# KiCad board 2025_bsides_badge_v1.kicad_pcb
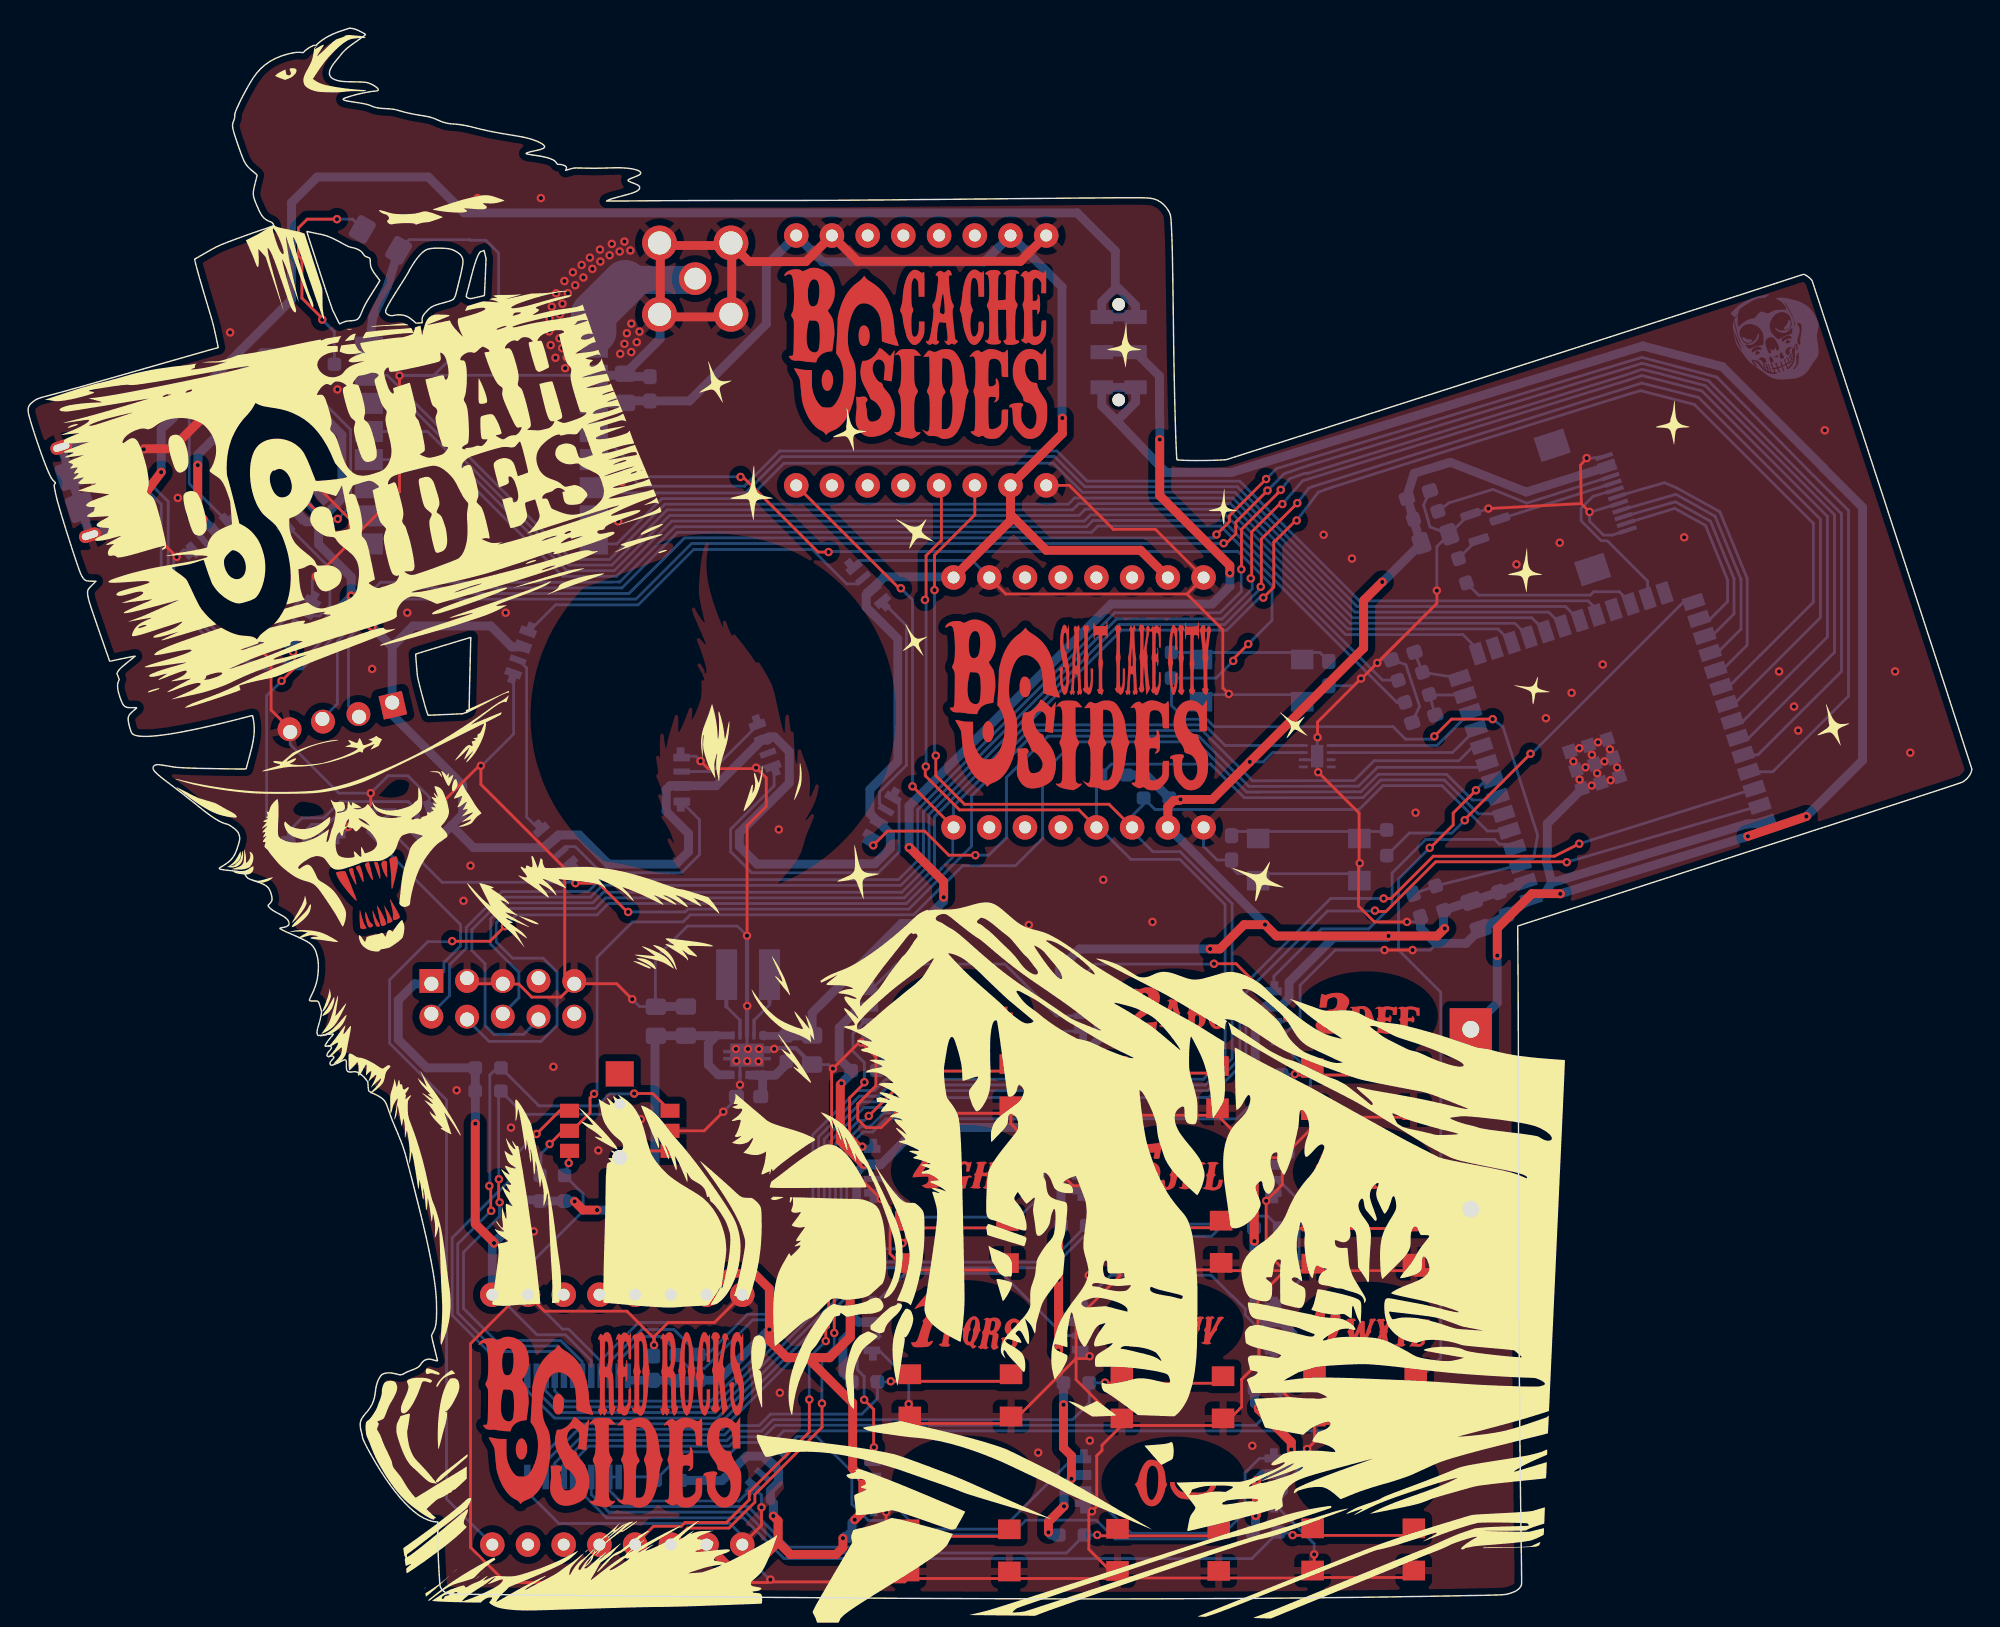
[diagram p0: board, top side]
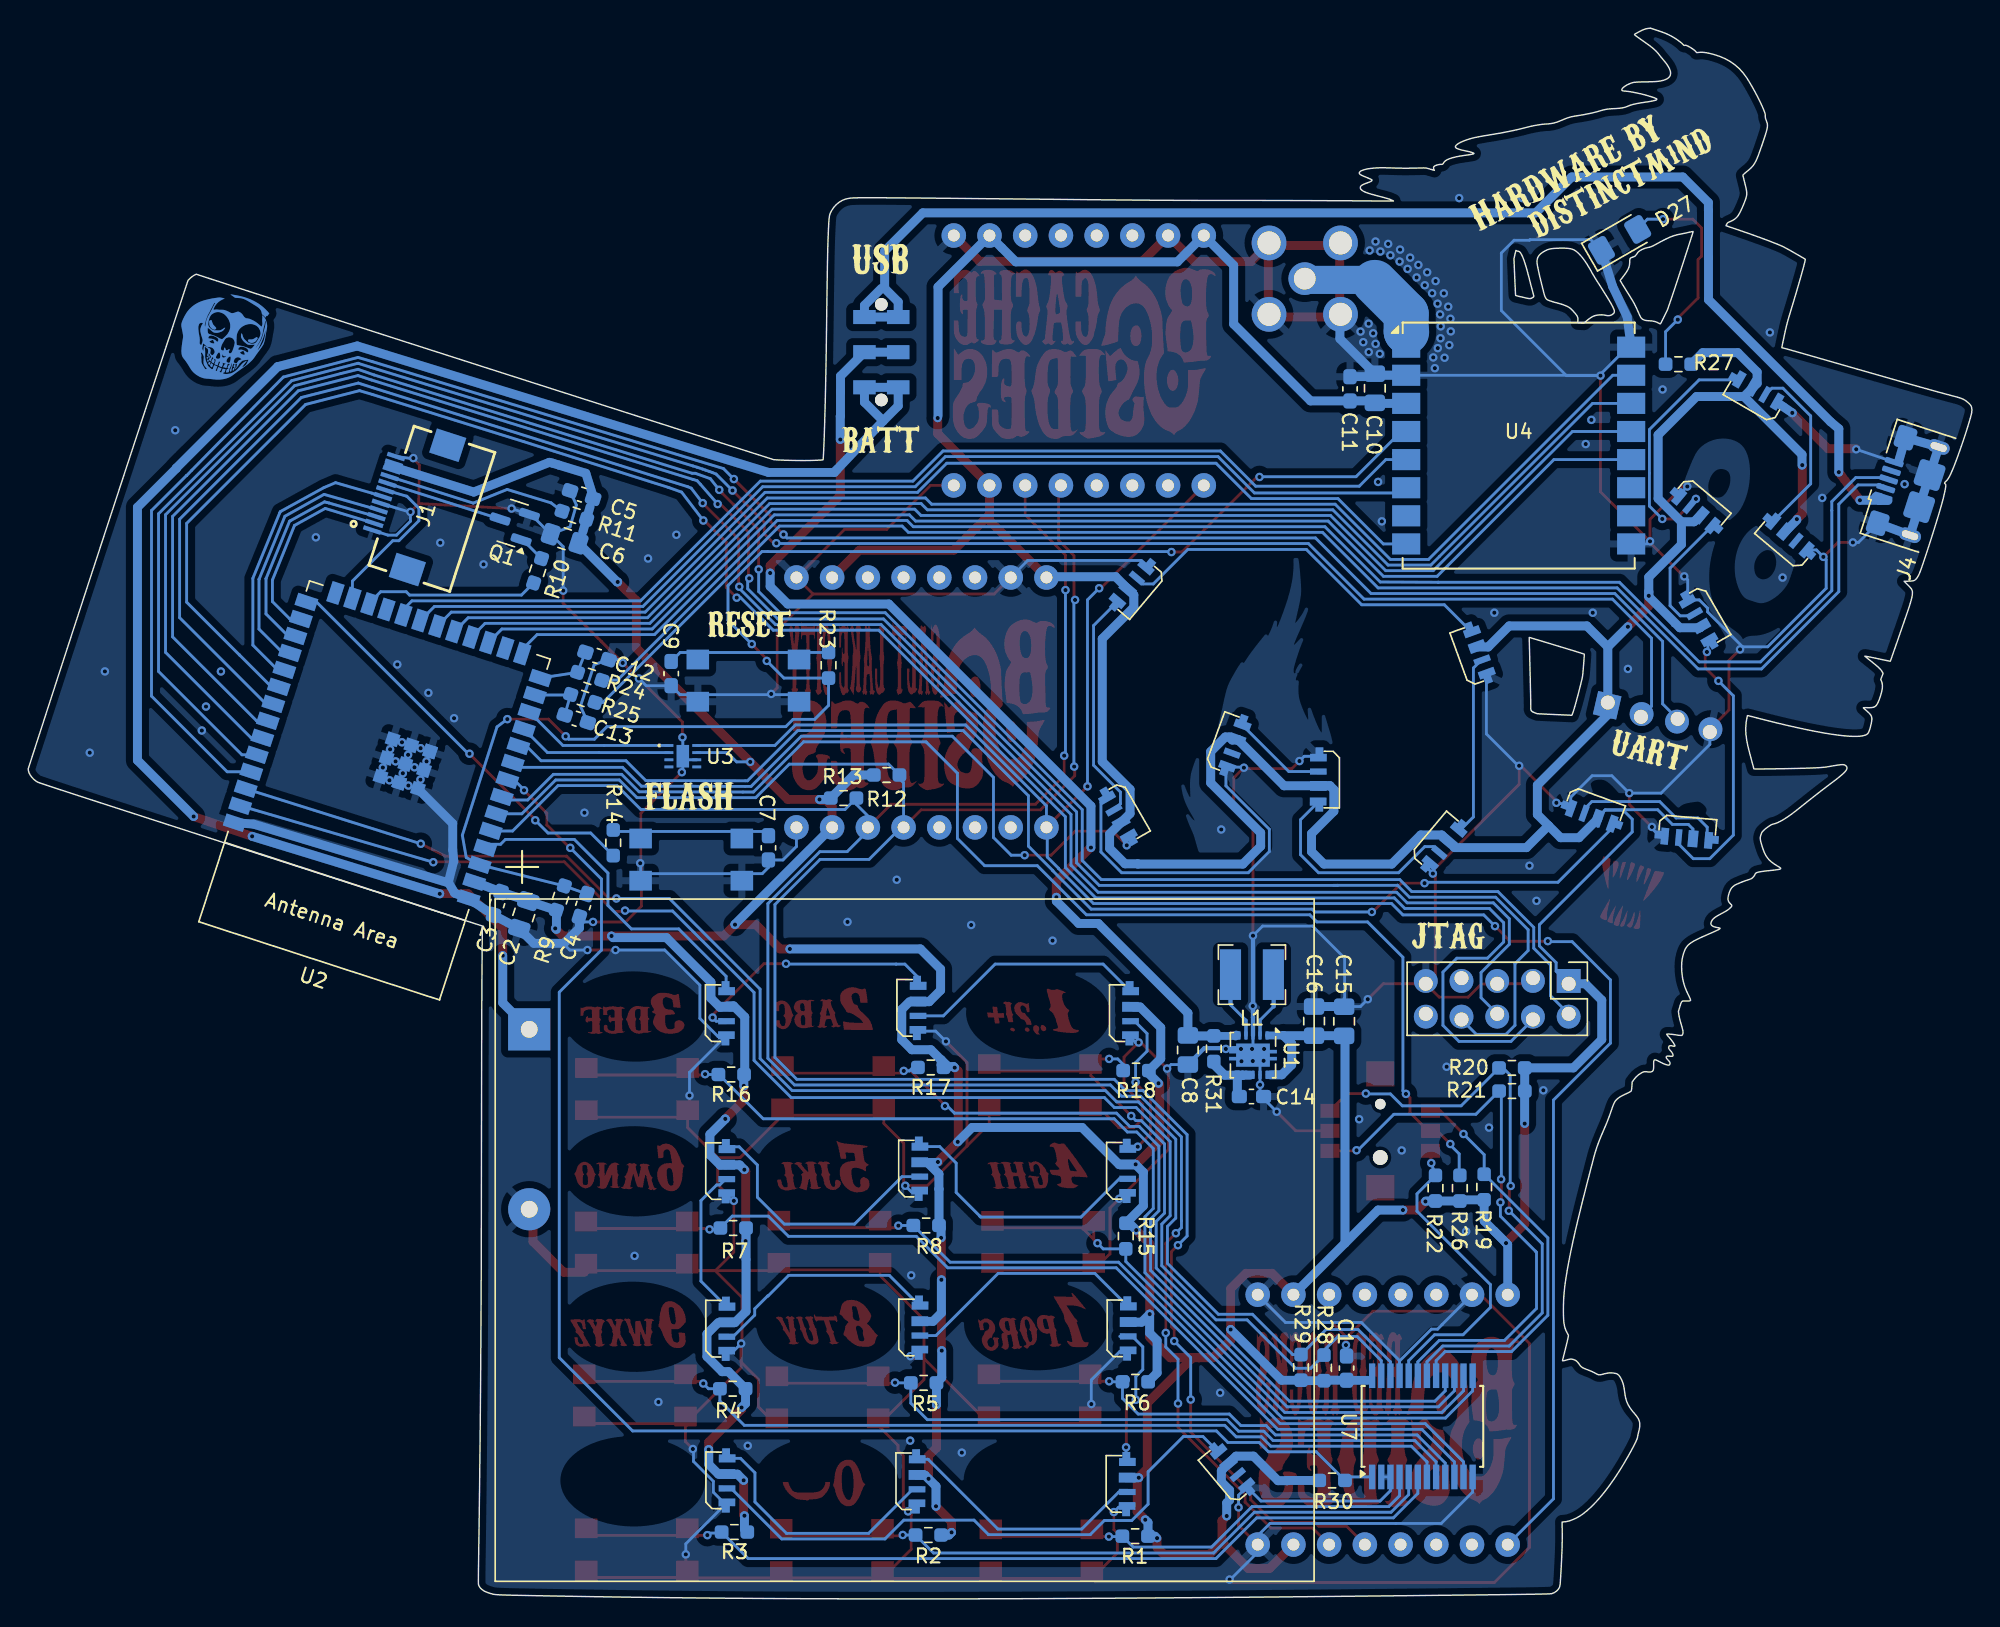
[diagram p1: board, bottom side, seen from below]

Outline 138.24 x 111.76 mm; copper layers: Top, Bottom. Coordinates in mm from the lower left corner of the outline.
Stack: Top 0.035mm / dielectric 1.51mm FR4 er 4.5 / Bottom 0.035mm

## Placement (name value [footprint] x y rotation side)
BT1  Battery  [mad_hatter_3_AA_battery]  79.1 31.52 180 top
C1  0.1uF  [C_0603_1608Metric_Pad1.08x0.95mm_HandSolder]  44.47 16.42 90 bottom
C2  10uF  [C_0805_2012Metric_Pad1.18x1.45mm_HandSolder]  102.99 48.66 288 bottom
C3  0.1uF  [C_0603_1608Metric_Pad1.08x0.95mm_HandSolder]  104.87 49.47 288 bottom
C4  1uF  [C_0603_1608Metric_Pad1.08x0.95mm_HandSolder]  98.76 49.33 288 bottom
C5  0.1uF  [C_0603_1608Metric_Pad1.08x0.95mm_HandSolder]  98.88 78.57 18 bottom
C6  10uF  [C_0805_2012Metric_Pad1.18x1.45mm_HandSolder]  100.08 75.43 18 bottom
C7  0.1uF  [C_0603_1608Metric_Pad1.08x0.95mm_HandSolder]  85.59 53.44 270 bottom
C8  10uF  [C_0805_2012Metric_Pad1.18x1.45mm_HandSolder]  55.76 39.05 270 bottom
C9  0.1uF  [C_0603_1608Metric_Pad1.08x0.95mm_HandSolder]  92.5 65.83 270 bottom
C10  10uF  [C_0805_2012Metric_Pad1.18x1.45mm_HandSolder]  42.46 86.13 90 bottom
C11  0.1uF  [C_0603_1608Metric_Pad1.08x0.95mm_HandSolder]  44.23 86.09 90 bottom
C12  NC  [C_0603_1608Metric_Pad1.08x0.95mm_HandSolder]  97.78 67.09 198 bottom
C13  NC  [C_0603_1608Metric_Pad1.08x0.95mm_HandSolder]  99.25 62.62 198 bottom
C14  0.1uF  [C_0603_1608Metric_Pad1.08x0.95mm_HandSolder]  51.24 35.74 180 bottom
C15  10uF  [C_0805_2012Metric_Pad1.18x1.45mm_HandSolder]  44.65 41.1 90 bottom
C16  10uF  [C_0805_2012Metric_Pad1.18x1.45mm_HandSolder]  46.78 41.11 90 bottom
D1  WS2812_4020  [sk6812-side-a]  90.14 41.62 270 bottom
D2  WS2812_4020  [sk6812-side-a]  76.52 42 270 bottom
D3  WS2812_4020  [sk6812-side-a]  61.4 41.62 270 bottom
D4  WS2812_4020  [sk6812-side-a]  61.61 30.41 270 bottom
D5  WS2812_4020  [sk6812-side-a]  76.39 30.56 270 bottom
D6  WS2812_4020  [sk6812-side-a]  90.12 30.39 270 bottom
D7  WS2812_4020  [sk6812-side-a]  90.12 19.17 270 bottom
D8  WS2812_4020  [sk6812-side-a]  76.39 19.25 270 bottom
D9  WS2812_4020  [sk6812-side-a]  61.57 19.2 270 bottom
D10  WS2812_4020  [sk6812-side-a]  61.64 8.13 270 bottom
D11  WS2812_4020  [sk6812-side-a]  76.59 8.32 270 bottom
D12  WS2812_4020  [sk6812-side-a]  90.1 8.38 270 bottom
D13  WS2812_4020  [sk6812-side-a]  53.74 8.24 230 bottom
D14  WS2812_4020  [sk6812-side-a]  59.4 56.47 60 bottom
D15  WS2812_4020  [sk6812-side-a]  58.51 71.22 130 bottom
D16  WS2812_4020  [sk6812-side-a]  36.48 66.75 250 bottom
D17  WS2812_4020  [sk6812-side-a]  38.75 54.51 310 bottom
D18  WS2812_4020  [sk6812-side-a]  44.91 58.34 90 bottom
D19  WS2812_4020  [sk6812-side-a]  53.91 61.2 290 bottom
D20  WS2812_4020  [sk6812-side-a]  26.55 57.19 20 bottom
D21  WS2812_4020  [sk6812-side-a]  20.2 55.69 5 bottom
D22  WS2812_4020  [sk6812-side-a]  18.11 70.44 60 bottom
D23  WS2812_4020  [sk6812-side-a]  18.65 78.62 40 bottom
D24  WS2812_4020  [sk6812-side-a]  15.94 84.59 210 bottom
D25  WS2812_4020  [sk6812-side-a]  13.91 74.42 220 bottom
D27  LED  [LED_1206_3216Metric_Pad1.42x1.75mm_HandSolder]  25.06 96.69 150 bottom
J1  FFC2B35-12-G_REVA2  [GCT_FFC2B35-12-G_REVA2]  109.83 77.66 108 bottom
J2  UART  [mad_hatter_sneaky_uart_connector]  22.65 63.31 13 top
J3  JTAG  [mad_hatter_jtag_sneaky_connector]  34.22 43.43 270 bottom
J4  USB_B_Micro  [USB_Micro-B_Amphenol_10118193-0001LF_Horizontal]  3.38 78.82 108 bottom
J5  RFPC-SMA27-F  [bsides_RFPC_SMA27_F]  47.45 93.43 0 top
L1  SRN4018-2R2M  [L_Bourns-SRN4018]  51.2 44.41 180 bottom
MB1  MiniBadge_Full  [MiniBadge_Slot_Basic]  64.55 73.94 0 top
MB2  MiniBadge_Full  [MiniBadge_Slot_Basic]  53.36 98.27 0 top
MB3  MiniBadge_Full  [MiniBadge_Slot_Basic]  31.74 22.91 0 top
Q1  MMBT3904  [SOT-23]  103.78 76.54 18 bottom
R1  100k  [R_0603_1608Metric_Pad0.98x0.95mm_HandSolder]  59.51 4.46 0 bottom
R2  100k  [R_0603_1608Metric_Pad0.98x0.95mm_HandSolder]  74.21 4.54 0 bottom
R3  100k  [R_0603_1608Metric_Pad0.98x0.95mm_HandSolder]  88.01 4.76 0 bottom
R4  100k  [R_0603_1608Metric_Pad0.98x0.95mm_HandSolder]  88.13 14.95 0 bottom
R5  100k  [R_0603_1608Metric_Pad0.98x0.95mm_HandSolder]  74.55 15.37 0 bottom
R6  100k  [R_0603_1608Metric_Pad0.98x0.95mm_HandSolder]  59.5 15.45 0 bottom
R7  100k  [R_0603_1608Metric_Pad0.98x0.95mm_HandSolder]  88.09 26.39 0 bottom
R8  100k  [R_0603_1608Metric_Pad0.98x0.95mm_HandSolder]  74.37 26.57 0 bottom
R9  10k  [R_0603_1608Metric_Pad0.98x0.95mm_HandSolder]  100.38 49.86 108 bottom
R10  1k  [R_0603_1608Metric_Pad0.98x0.95mm_HandSolder]  102.01 73.15 108 bottom
R11  75 ohm  [R_0603_1608Metric_Pad0.98x0.95mm_HandSolder]  99.39 77.1 18 bottom
R12  4.7k  [R_0603_1608Metric_Pad0.98x0.95mm_HandSolder]  80.25 56.98 0 bottom
R13  4.7k  [R_0603_1608Metric_Pad0.98x0.95mm_HandSolder]  77.18 58.62 0 bottom
R14  0  [R_0603_1608Metric_Pad0.98x0.95mm_HandSolder]  96.62 53.8 270 bottom
R15  100k  [R_0603_1608Metric_Pad0.98x0.95mm_HandSolder]  60.17 25.82 270 bottom
R16  100k  [R_0603_1608Metric_Pad0.98x0.95mm_HandSolder]  88.23 37.31 0 bottom
R17  100k  [R_0603_1608Metric_Pad0.98x0.95mm_HandSolder]  74.04 37.81 0 bottom
R18  100k  [R_0603_1608Metric_Pad0.98x0.95mm_HandSolder]  59.45 37.59 0 bottom
R19  100k  [R_0603_1608Metric_Pad0.98x0.95mm_HandSolder]  34.69 29.3 90 bottom
R20  100k  [R_0603_1608Metric_Pad0.98x0.95mm_HandSolder]  32.71 37.78 0 bottom
R21  100k  [R_0603_1608Metric_Pad0.98x0.95mm_HandSolder]  32.71 36.13 0 bottom
R22  100k  [R_0603_1608Metric_Pad0.98x0.95mm_HandSolder]  38.15 29.22 90 bottom
R23  0  [R_0603_1608Metric_Pad0.98x0.95mm_HandSolder]  81.31 66.43 270 bottom
R24  0 ohm  [R_0603_1608Metric_Pad0.98x0.95mm_HandSolder]  98.3 65.64 198 bottom
R25  0 ohm  [R_0603_1608Metric_Pad0.98x0.95mm_HandSolder]  98.78 64.07 198 bottom
R26  100k  [R_0603_1608Metric_Pad0.98x0.95mm_HandSolder]  36.41 29.22 270 bottom
R27  15 OHM  [R_0603_1608Metric_Pad0.98x0.95mm_HandSolder]  20.87 87.85 0 bottom
R28  10k  [R_0603_1608Metric_Pad0.98x0.95mm_HandSolder]  46.08 16.44 90 bottom
R29  10k  [R_0603_1608Metric_Pad0.98x0.95mm_HandSolder]  47.71 16.47 90 bottom
R30  10k  [R_0603_1608Metric_Pad0.98x0.95mm_HandSolder]  45.5 8.43 180 bottom
R31  100 OHM  [R_0603_1608Metric_Pad0.98x0.95mm_HandSolder]  53.91 39.14 270 bottom
REF**  -  [bsides_logo_dot_mask]  16.18 76.93 18 top
REF**#2  -  [dial_two]  81.52 41.94 16 top
REF**#3  -  [dial_oval]  81.61 7.86 16 top
REF**#4  -  [2025_bsides_front_silk]  54.83 43.17 18 top
REF**#5  -  [dial_oval]  95.26 40.96 16 top
REF**#6  -  [bsides_star]  77.96 88.67 0 top
REF**#7  -  [dial_six]  95.65 29.74 16 top
REF**#8  -  [dial_five]  81.56 30.14 16 top
REF**#9  -  [2025_bsides_main_edgecut]  66.19 51.5 18 top
REF**#10  -  [dial_oval]  95.31 18.89 16 top
REF**#11  -  [dial_oval]  95.38 7.89 16 top
REF**#12  -  [bsides_red_rocks]  42.54 12.63 0 top
REF**#13  -  [bsides_star]  48.96 86.06 20 top
REF**#14  -  [2025_bsides_inner_cuts]  28.64 83.3 18 top
REF**#15  -  [dial_oval]  66.53 41.15 16 top
REF**#16  -  [dial_oval]  81.45 18.97 16 top
REF**#17  -  [dial_eight]  81.02 18.97 16 top
REF**#18  -  [bsides_star3]  87.46 51.17 70 top
REF**#19  -  [dial_oval]  95.23 29.95 16 top
REF**#20  -  [dial_oval]  66.7 7.94 16 top
REF**#21  -  [bsides_star]  128.46 61.67 20 top
REF**#22  -  [dial_zero_space]  81.64 8.25 0 top
REF**#23  -  [bsides_star]  63.46 75.67 60 top
REF**#24  -  [bsides_star2]  62.96 68.17 30 top
REF**#25  -  [dial_four]  66.05 30.01 16 top
REF**#26  -  [dial_seven]  65.9 18.39 16 top
REF**#27  -  [bsides_star2]  106.96 64.67 80 top
REF**#28  -  [dial_oval]  81.49 30.1 16 top
REF**#29  -  [dial_oval]  66.68 19 16 top
REF**#30  -  [bsides_star]  58.46 82.67 10 top
REF**#31  -  [bsides_salt_lake_minibadge]  75.68 63.61 0 top
REF**#32  -  [dial_nine]  95.25 18.38 16 top
REF**#33  -  [bsides_star]  106.46 72.67 0 top
REF**#34  -  [dial_oval]  81.54 41.18 16 top
REF**#35  -  [dial_one]  66.68 41.38 16 top
REF**#36  -  [bsides_star]  116.96 83.17 0 top
REF**#37  -  [bsides_star2]  84.96 77.67 0 top
REF**#38  -  [bsides_star2]  89.96 62.17 50 top
REF**#39  -  [bsides_cache_minibadge]  63.8 88.66 0 top
REF**#40  -  [bsides_s]  16.85 76.94 18 top
REF**#41  -  [bsides_star3]  51.46 78.67 0 top
REF**#42  -  [dial_oval]  66.64 30.04 16 top
REF**#43  -  [2025_bsides_moon_eyes_skull_mask]  49.86 50.02 18 top
REF**#44  -  [bsides_star3]  58.96 51.67 10 top
REF**#45  -  [dial_three]  94.84 41.04 16 top
REF**#46  -  [bsides_flash]  91.23 56.65 180 bottom
REF**#47  -  [bsides_uart]  22.99 60.46 194 bottom
REF**#48  -  [bsides_distinctm1nd]  24.36 100.63 153 bottom
REF**#49  -  [bsides_reset]  86.97 69.43 180 bottom
REF**#50  -  [bsides_batt]  77.63 82.53 180 bottom
REF**#51  -  [bsides_jtag]  37.23 47.26 180 bottom
REF**#52  -  [dm_logo]  124.19 89.16 200 bottom
REF**#53  -  [bsides_usb]  77.66 95.35 180 bottom
REF**#54  -  [bsides_hardware_by]  28.93 101.5 153 bottom
S1  2434804  [nav_switch_2434804_1]  42.08 33.3 315 top
SW1  SW_Push  [button_switch_TL3305A]  66.18 2.95 0 top
SW2  SW_Push  [button_switch_TL3305A]  81.07 2.99 0 top
SW3  SW_Push  [button_switch_TL3305A]  94.95 3.02 0 top
SW4  SW_Push  [button_switch_TL3305A]  95.09 13.98 0 top
SW5  SW_Push  [button_switch_TL3305A]  81.38 13.84 0 top
SW6  SW_Push  [button_switch_TL3305A]  66.31 13.98 0 top
SW7  SW_Push  [button_switch_TL3305A]  94.96 24.85 0 top
SW8  SW_Push  [button_switch_TL3305A]  81.24 24.91 0 top
SW9  SW_Push  [button_switch_TL3305A]  91.08 53.1 0 bottom
SW10  SW_Push  [button_switch_TL3305A]  87.01 65.83 0 bottom
SW11  SW_Push  [button_switch_TL3305A]  66.05 24.9 0 top
SW12  SW_Push  [button_switch_TL3305A]  94.93 35.77 0 top
SW13  SW_Push  [button_switch_TL3305A]  80.98 35.91 0 top
SW14  SW_Push  [button_switch_TL3305A]  66.29 36.05 0 top
SW15  SW_SPDT  [js202011jaqn]  78.06 88.2 180 bottom
U1  TPS63001DRCR  [Texas_DRC0010J]  51.13 38.69 270 bottom
U2  -  [ESP32-S3-WROOM-1]  112.67 60.38 18 bottom
U3  A3910EEETR-T  [DFN-8_ALM]  91.68 59.96 180 bottom
U4  DL-LLCC68-S-915S  [Ai-Thinker-Ra-01-LoRa]  32.23 82.06 180 bottom
U7  TCA9535DBR  [SSOP-24_5.3x8.2mm_P0.65mm]  39.08 12.28 90 bottom

## Library data of the parts
C1-C6 C8 C10 C11 C14-C16 = -: Description: Unpolarized capacitor; ki_fp_filters: C_*
C7 C9 C12 C13 = -: ki_fp_filters: C_*
D1-D25 = -: Datasheet: https://datasheet.lcsc.com/lcsc/2012110135_Worldsemi-WS2812B-4020_C965557.pdf; Description: 4020 SMD adressable RGB LED with integrated controller; ki_fp_filters: LED*SK6812MINI*PLCC*3.5x3.5mm*P1.75mm*
D27 = -: ki_fp_filters: LED* LED_SMD:* LED_THT:*
J1 = -: PARTREV: A2; MANUFACTURER: GCT; MAXIMUM_PACKAGE_HEIGHT: 2 mm; STANDARD: Manufacturer Recommendations
J2 = -: ki_fp_filters: Connector*:*_1x??_*
J3 = -: ki_fp_filters: Connector*:*_2x??_*
J4 = -: ki_fp_filters: USB*
J5 = -: PARTREV: 1.0; MANUFACTURER: GradConn; MAXIMUM_PACKAGE_HEIGHT: 10.3mm; STANDARD: Manufacturer Recommendations
L1 = -: ki_fp_filters: IND_BOURNS_SRN4018
Q1 = -: Datasheet: https://www.onsemi.com/pdf/datasheet/pzt3904-d.pdf; Description: 0.2A Ic, 40V Vce, Small Signal NPN Transistor, SOT-23; ki_fp_filters: SOT?23*
R1-R31 = -: ki_fp_filters: R_*
S1 = -: PARTREV: A; STANDARD: Manufacturer Recommendations; MAXIMUM_PACKAGE_HEIGHT: 7.55mm; MANUFACTURER: TE Connectivitty
SW1-SW8 SW11-SW14 = -: Description: Push button switch, generic, two pins
U1 = -: ki_fp_filters: DRC0010J
U2 = -: Datasheet: https://www.espressif.com/sites/default/files/documentation/esp32-s3-wroom-1_wroom-1u_datasheet_en.pdf; Description: 2.4 GHz WiFi (802.11 b/g/n) and Bluetooth ® 5 (LE) module Built around ESP32S3 series of SoCs, Xtensa ® dualcore 32bit LX7 microprocessor Flash up to 16 MB, PSRAM up to 8 MB 36 GPIOs, rich set of peripherals Onboard PCB antenna
U3 = -: ki_fp_filters: DFN-8_ALM DFN-8_ALM-M DFN-8_ALM-L
U4 = -: Datasheet: http://wiki.ai-thinker.com/_media/lora/docs/c047ps01a1_ra-01_product_specification_v1.1.pdf; Description: Ai-Thinker Ra-01 410-525 MHz LoRa Module, SPI interface, external antenna; ki_fp_filters: Ai?Thinker?Ra?01*
U7 = -: Datasheet: http://www.ti.com/lit/ds/symlink/tca9535.pdf; Description: 16-bit I/O expander, I2C and SMBus interface, interrupts, w/o pull-ups, SSOP-24; ki_fp_filters: SSOP*5.3x8.2mm*P0.65mm*

## Footprints (pads in the part's own frame, mm; a bottom-side part is the same pattern mirrored in y, then rotated)
Ai-Thinker-Ra-01-LoRa
  rect 2x1.5 smd: 1(-8,7) 2(-8,5) 3(-8,3) 4(-8,1) 5(-8,-1) 6(-8,-3) 7(-8,-5) 8(-8,-7) 9(8,-7) 10(8,-5) 11(8,-3) 12(8,-1) 13(8,1) 14(8,3) 15(8,5) 16(8,7)
bsides_RFPC_SMA27_F
  round 2.325 hole 1.55: 1(0,0.5)
  round 2.475 hole 1.65: G1(-2.54,3.04) G2(2.54,3.04) G3(-2.54,-2.04) G4(2.54,-2.04)
button_switch_TL3305A
  rect 1.6x1.4 smd: 1(-3.6,2) 1(3.6,2) 2(-3.6,-1) 2(3.6,-1)
C_0603_1608Metric_Pad1.08x0.95mm_HandSolder
  rrect 1.075x0.95 smd: 1(-0.863,0) 2(0.863,0)
C_0805_2012Metric_Pad1.18x1.45mm_HandSolder
  rrect 1.175x1.45 smd: 1(-1.038,0) 2(1.038,0)
DFN-8_ALM
  rect 0.635x0.203 smd: 1(-0.991,0.762) 2(-0.991,0.254) 3(-0.991,-0.254) 4(-0.991,-0.762) 5(0.991,-0.762) 6(0.991,-0.254) 7(0.991,0.254) 8(0.991,0.762)
  rect 0.889x1.6 smd: 9(0,0)
ESP32-S3-WROOM-1
  rect 1.5x0.9 smd: 1(-8.75,8.26) 2(-8.75,6.99) 3(-8.75,5.72) 4(-8.75,4.45) 5(-8.75,3.18) 6(-8.75,1.91) 7(-8.75,0.64) 8(-8.75,-0.63) 9(-8.75,-1.9) 10(-8.75,-3.17) 11(-8.75,-4.44) 12(-8.75,-5.71) 13(-8.75,-6.98) 14(-8.75,-8.25) 27(8.75,-8.25) 28(8.75,-6.98) 29(8.75,-5.71) 30(8.75,-4.44) 31(8.75,-3.17) 32(8.75,-1.9) 33(8.75,-0.63) 34(8.75,0.64) 35(8.75,1.91) 36(8.75,3.18) 37(8.75,4.45) 38(8.75,5.72) 39(8.75,6.99) 40(8.75,8.26)
  rect 0.9x1.5 smd: 15(-6.985,-9.5) 16(-5.715,-9.5) 17(-4.445,-9.5) 18(-3.175,-9.5) 19(-1.905,-9.5) 20(-0.635,-9.5) 21(0.635,-9.5) 22(1.905,-9.5) 23(3.175,-9.5) 24(4.445,-9.5) 25(5.715,-9.5) 26(6.985,-9.5)
  rect 0.9x0.9 smd: 41(-2.9,-0.86) 41(-2.9,-0.86) 41(-2.9,0.54) 41(-2.9,1.94) 41(-1.5,-0.86) 41(-1.5,0.54) 41(-1.5,1.94) 41(-1.5,1.94) 41(-0.1,-0.86) 41(-0.1,1.94) 41(-0.1,0.54)
GCT_FFC2B35-12-G_REVA2
  rect 0.3x1.3 smd: 1(-2.75,3.25) 2(-2.25,3.25) 3(-1.75,3.25) 4(-1.25,3.25) 5(-0.75,3.25) 6(-0.25,3.25) 7(0.25,3.25) 8(0.75,3.25) 9(1.25,3.25) 10(1.75,3.25) 11(2.25,3.25) 12(2.75,3.25)
  rect 1.8x2.2 smd: S1(-4.65,0) S2(4.65,0)
js202011jaqn
  round 0.9 hole 0.9 unplated: (0.5,-2.9) (0.5,3.9)
  rect 1.6x1 smd: 1(-0.7,3) 1(1.7,3) 2(-0.7,0.5) 2(1.7,0.5) 3(-0.7,-2) 3(1.7,-2)
L_Bourns-SRN4018
  rect 1.5x3.6 smd: 1(-1.525,0) 2(1.525,0)
LED_1206_3216Metric_Pad1.42x1.75mm_HandSolder
  rrect 1.425x1.75 smd: 1(-1.488,0) 2(1.488,0)
mad_hatter_3_AA_battery
  rect 3x3 hole 1.2: 1(-23.5,-9)
  round 3 hole 1.2: 2(-23.5,3.8)
mad_hatter_jtag_sneaky_connector
  rect 1.7x1.7 hole 1: 1(-0.34,5.54)
  oval 1.7x1.7 hole 1: 2(1.8,5.54) 3(-0.74,3) 4(2.2,3) 5(-0.34,0.46) 6(1.8,0.46) 7(-0.74,-2.08) 8(2.2,-2.08) 9(-0.34,-4.62) 10(1.8,-4.62)
mad_hatter_sneaky_uart_connector
  rect 1.7x1.7 hole 1: 1(3.262,-0.28)
  oval 1.7x1.7 hole 1: 2(0.737,-0.737) 3(-1.839,-0.297) 4(-4.279,-0.686)
MiniBadge_Slot_Basic
  round 1.75 hole 0.85: 1(1.27,-1.27) 2(3.81,-1.27) 3(6.35,-1.27) 4(8.89,-1.27) 5(11.43,-1.27) 6(13.97,-1.27) 7(16.51,-1.27) 8(19.05,-1.27) 9(1.27,-19.05) 10(3.81,-19.05) 11(6.35,-19.05) 12(8.89,-19.05) 13(11.43,-19.05) 14(13.97,-19.05) 15(16.51,-19.05) 16(19.05,-19.05)
nav_switch_2434804_1
  rect 2x1.8 smd rot 45: (-2.864,2.864) (2.864,-2.864)
  round 0.75 hole 0.75 unplated: (-1.344,1.344)
  round 1.05 hole 1.05 unplated: (1.344,-1.344)
  rect 1.35x1 smd rot 45: 1(-3.536,-1.52) 2(-2.528,-2.528) 3(-1.52,-3.536) 4(1.52,3.536) 5(2.528,2.528) 6(3.536,1.52)
R_0603_1608Metric_Pad0.98x0.95mm_HandSolder
  rrect 0.975x0.95 smd: 1(-0.912,0) 2(0.912,0)
sk6812-side-a
  custom 1.003x1.188 smd: 1(-1.618,1.543)
  custom 0.704x1.193 smd: 2(-0.491,1.506)
  custom 0.443x1.187 smd: 3(0.521,1.484)
  custom 1.002x1.193 smd: 4(1.605,1.499)
SOT-23
  rrect 1.475x0.6 smd: 1(-0.938,0.95) 2(-0.938,-0.95) 3(0.937,0)
SSOP-24_5.3x8.2mm_P0.65mm
  rect 1.75x0.45 smd: 1(-3.6,3.575) 2(-3.6,2.925) 3(-3.6,2.275) 4(-3.6,1.625) 5(-3.6,0.975) 6(-3.6,0.325) 7(-3.6,-0.325) 8(-3.6,-0.975) 9(-3.6,-1.625) 10(-3.6,-2.275) 11(-3.6,-2.925) 12(-3.6,-3.575) 13(3.6,-3.575) 14(3.6,-2.925) 15(3.6,-2.275) 16(3.6,-1.625) 17(3.6,-0.975) 18(3.6,-0.325) 19(3.6,0.325) 20(3.6,0.975) 21(3.6,1.625) 22(3.6,2.275) 23(3.6,2.925) 24(3.6,3.575)
Texas_DRC0010J
  rrect 0.25x0.34 smd: (-0.25,-1.53) (-0.25,1.53) (0.25,-1.53) (0.25,1.53)
  rrect 1.5x1.06 smd: (0,-0.63) (0,0.63)
  rrect 0.6x0.24 smd: 1(-1.4,1) 2(-1.4,0.5) 3(-1.4,0) 4(-1.4,-0.5) 5(-1.4,-1) 6(1.4,-1) 7(1.4,-0.5) 8(1.4,0) 9(1.4,0.5) 10(1.4,1)
  custom 1.65x3.4 smd: 11(0,0)
USB_Micro-B_Amphenol_10118193-0001LF_Horizontal
  rrect 0.4x1.35 smd: 1(-1.3,2.675) 2(-0.65,2.675) 3(0,2.675) 4(0.65,2.675) 5(1.3,2.675)
  oval 0.9x1.6 hole 0.5x1.2: 6(-3.3,0) 6(3.3,0)
  rrect 1.6x1.4 smd: 6(-3.2,2.45) 6(3.2,2.45)
  rrect 1.9x1.9 smd: 6(-1.2,0) 6(1.2,0)
